# Altium PCB FPGA_Board.PcbDoc (part 1 of 3) (continued)
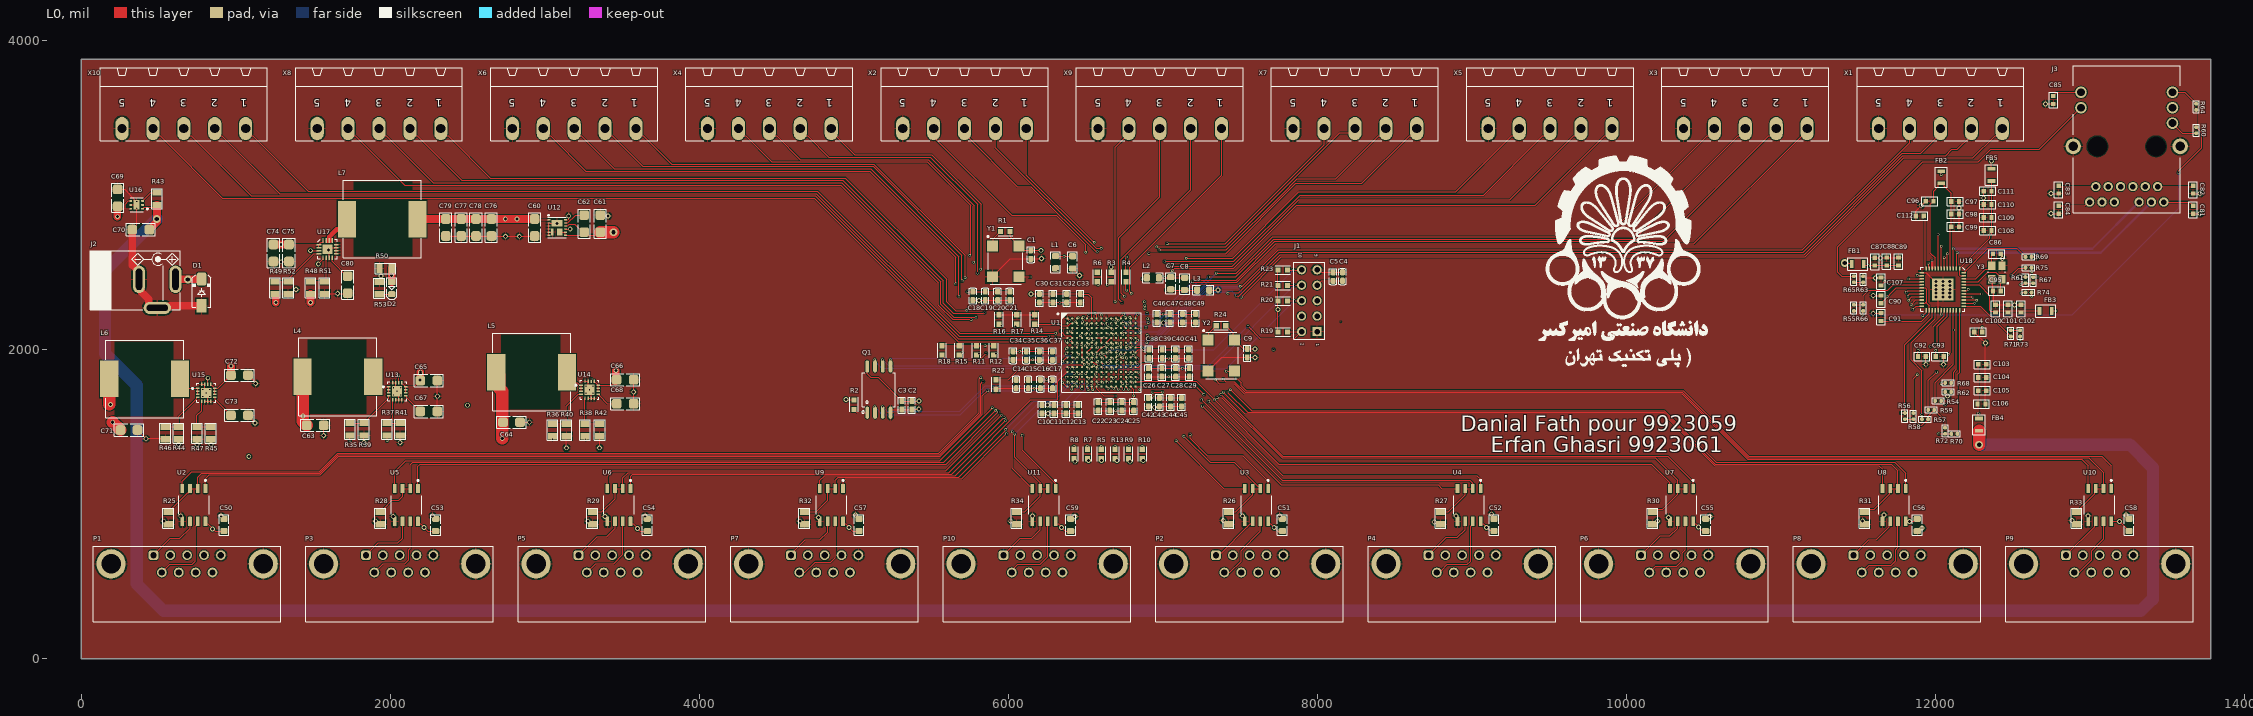
[diagram p0: L0 view]
## Footprints (in the part's own frame and the unit in brackets; to place one, negate y for a bottom-side part, rotate by r counter-clockwise, add the part's x,y. Pads: shape width x height; smd on the part's side, far side on the other; paste and mask are expansions set on the pad) (continued)
  rect 0.25x0.7 smd mask+0.03: 13(-2.75,-3.44) 14(-2.25,-3.44) 15(-1.75,-3.44) 16(-1.25,-3.44) 17(-0.75,-3.44) 18(-0.25,-3.44) 19(0.25,-3.44) 20(0.75,-3.44) 21(1.25,-3.44) 22(1.75,-3.44) 23(2.25,-3.44) 24(2.75,-3.44) 37(2.75,3.44) 38(2.25,3.44) 39(1.75,3.44) 40(1.25,3.44) 41(0.75,3.44) 42(0.25,3.44) 43(-0.25,3.44) 44(-0.75,3.44) 45(-1.25,3.44) 46(-1.75,3.44) 47(-2.25,3.44) 48(-2.75,3.44)
  rect 3.6x3.6 smd paste-10 mask+0.025: 49(0,0)
  silkscreen extent -3.6,-3.6 3.6,3.6, body extent -3.51,-3.51 3.51,3.51, height 0.78
R0402 [mm] "CHIP Resistor 1/16 WATT, 1.0X0.5mm, 0402, 1005"
  oval 0.6x0.7 smd mask+0.075: 1(-0.5,0) 2(0.5,0)
  silkscreen extent -1,-0.5 1,0.5, body extent -0.57,-0.27 0.58,0.28, height 0.41
R0805_small [mm]
  rect 0.6x1.3 smd paste-0.3 mask-0.3: 1(-1,0) 2(1,0)
  silkscreen extent -1.65,-1.02 1.65,1.02, body extent -1,-0.6 1,0.6, height 0.7
SMD-0603-RES [mm]
  rect 0.85x0.85 smd: 1(0,0.775) 2(0,-0.775)
  silkscreen extent -0.7,-1.2 0.7,1.2, body extent -0.4,-0.85 0.4,0.85, height 0.56
SMD-0805-RES [mil]
  rect 60x40 smd: 1(0,40) 2(0,-40)
  silkscreen extent -35,-65 35,65, body extent -24,-39 26,39, height 31
SO_8_W [mm]
  oval 2x0.6 smd: 1(-3.8,1.905) 2(-3.8,0.635) 3(-3.8,-0.635) 4(-3.8,-1.905) 5(3.8,-1.905) 6(3.8,-0.635) 7(3.8,0.635) 8(3.8,1.905)
  silkscreen extent -3.9,-2.7 2.8,2.8, body extent -4.05,-2.73 4.05,2.73, height 1.75

## Part data
C81 C82 C83 C84 C85 C88 C97 C101 C104 C109: library part C1005X5R1H104K, "CAP CER .10UF 50V X5R 10% 0402", Capacitance=0.1µF, Manufacturer="TDK Corporation", Operating Temperature="-55°C ~ 85°C", Package / Case="0402 (1005 Metric)", Ratings=-, Supplier Part Number=445-5942-1-ND, Temperature Coefficient=X5R, Tolerance=±10%, Voltage - Rated=50V, .Checked PCB=used, .Checked SCH=used, Applications="General Purpose", Category=Capacitors, ComponentLink1Description=http://www.tdk.co.jp/tefe02/e412_c.pdf, ComponentLink1URL=http://www.tdk.co.jp/tefe02/e412_c.pdf, Features=-, Height - Seated (Max)=-, Lead Spacing=-, Lead Style=-, Manufacturer Part Number=C1005X5R1H104K, Mounting Type="Surface Mount, MLCC", Packaging="Cut Tape (CT)", Price 1k [$]=0.02340, Pricing 1="1=0.27, 10=0.18, 100=0.072, 250=0.05176, 500=0.0369, 1000=0.027 (USD)", RoHS="RoHS Compliant", Size / Dimension="0.039\" L x 0.020\" W (1.00mm x 0.50mm)", Stock 1=106926, Supplier=Digikey, Supplier 1=Digi-Key, Supplier Part Number 1=445-5942-1-ND, Thickness (Max)="0.022\" (0.55mm)"
C86 C95: library part C1005C0G1H220J, "CAP CER 22PF 50V C0G 5% 0402", Manufacturer="TDK Corporation", Operating Temperature="-55°C ~ 125°C", Package / Case="0402 (1005 Metric)", Ratings=-, Supplier Part Number=445-1239-1-ND, Temperature Coefficient="C0G, NP0", Tolerance=±5%, Voltage - Rated=50V, .Checked PCB=used, .Checked SCH=used, Applications="General Purpose", Capacitance=22pF, Category=Capacitors, ComponentLink1Description=http://www.tdk.co.jp/tefe02/e412_c.pdf, ComponentLink1URL=http://www.tdk.co.jp/tefe02/e412_c.pdf, Features=-, Height - Seated (Max)=-, Lead Spacing=-, Lead Style=-, Manufacturer Part Number=C1005C0G1H220J, Mounting Type="Surface Mount, MLCC", Packaging="Cut Tape (CT)", Price 1k [$]=0.00442, Pricing 1="1=0.08, 10=0.05, 100=0.018, 250=0.013, 500=0.0096, 1000=0.0065 (USD)", RoHS="RoHS Compliant", Size / Dimension="0.039\" L x 0.020\" W (1.00mm x 0.50mm)", Stock 1=176261, Supplier=Digikey, Supplier 1=Digi-Key, Supplier Part Number 1=445-1239-1-ND, Thickness (Max)="0.022\" (0.55mm)"
C87 C96 C100 C103 C108: library part C1608X5R0J106M, "CAP CER 10UF 6.3V X5R 20% 0603", Capacitance=10µF, Manufacturer="TDK Corporation", Operating Temperature="-55°C ~ 85°C", Package / Case="0603 (1608 Metric)", Ratings=-, Supplier Part Number=445-4112-1-ND, Temperature Coefficient=X5R, Tolerance=±20%, Voltage - Rated=6.3V, .Checked PCB=used, .Checked SCH=used, Applications="General Purpose", Category=Capacitors, ComponentLink1Description=http://www.tdk.com/pdf/general_B11.pdf, ComponentLink1URL=http://www.tdk.com/pdf/general_B11.pdf, Features="Low ESR", Height - Seated (Max)=-, Lead Spacing=-, Lead Style=-, Manufacturer Part Number=C1608X5R0J106M, Mounting Type="Surface Mount, MLCC", Packaging="Cut Tape (CT)", Price 1k [$]=0.08580, Pricing 1="1=0.46, 10=0.363, 100=0.1898, 250=0.14024, 500=0.1089, 1000=0.0858 (USD)", RoHS="RoHS Compliant", Size / Dimension="0.063\" L x 0.031\" W (1.60mm x 0.80mm)", Stock 1=48157, Supplier=Digikey, Supplier 1=Digi-Key, Supplier Part Number 1=445-4112-1-ND, Thickness (Max)="0.037\" (0.95mm)"
C89 C90 C91 C92 C93 C94 C98 C99 C102 C105 C106 C107 C110 C111 C112: library part C1005X7R1H103K, "CAP CER 10000PF 50V 10% X7R 0402", Capacitance=10000pF, Manufacturer="TDK Corporation", Operating Temperature="-55°C ~ 125°C", Package / Case="0402 (1005 Metric)", Ratings=-, Supplier Part Number=445-6850-1-ND, Temperature Coefficient=X7R, Tolerance=±10%, Voltage - Rated=50V, .Checked PCB=used, .Checked SCH=used, Applications="General Purpose", Category=Capacitors, ComponentLink1Description=http://www.tdk.co.jp/tefe02/e412_c.pdf, ComponentLink1URL=http://www.tdk.co.jp/tefe02/e412_c.pdf, Features=-, Height - Seated (Max)=-, Lead Spacing=-, Lead Style=-, Manufacturer Part Number=C1005X7R1H103K, Mounting Type="Surface Mount, MLCC", Packaging="Cut Tape (CT)", Price 1k [$]=0.01625, Pricing 1="1=0.2, 10=0.125, 100=0.045, 250=0.03252, 500=0.024, 1000=0.01625 (USD)", RoHS="RoHS Compliant", Size / Dimension="0.039\" L x 0.020\" W (1.00mm x 0.50mm)", Stock 1=3901, Supplier=Digikey, Supplier 1=Digi-Key, Supplier Part Number 1=445-6850-1-ND, Thickness (Max)="0.022\" (0.55mm)"
D1: "DIODE, GENERAL PURPOSE, 1000V/1A", ComponentLink1Description="Website Smart World", ComponentLink1URL=https://www.smartw.ir/, ComponentLink2Description=Telegram, ComponentLink2URL=https://t.me/altium_smartw, ComponentLink3Description=Instagram, ComponentLink3URL=https://Instagram.com/smartgw.ir, DatasheetVersion=2021
FB1 FB2 FB4 FB5: "FERRITE CHIP 100 OHM BEAD 0603 3A", Current Rating=3A, DC Resistance (DCR)="30 mOhm Max", Impedance @ Frequency="100 Ohm @ 100MHz", Manufacturer="Murata Electronics North America", Package / Case="0603 (1608 Metric)", Supplier Part Number=490-5448-1-ND, .Checked PCB=used, .Checked SCH=used, Category=Filters, ComponentLink1Description=http://search.murata.co.jp/Ceramy/image/img/PDF/ENG/L0110S0100BLM18K.pdf, ComponentLink1URL=http://search.murata.co.jp/Ceramy/image/img/PDF/ENG/L0110S0100BLM18K.pdf, Filter Type="Differential Mode - Single", Height (Max)="0.030\" (0.75mm)", Manufacturer Part Number=BLM18KG101TN1D, Mounting Type="Surface Mount", Number of Lines=1, Packaging="Cut Tape (CT)", Price 1k [$]=0.04320, Pricing 1="1=0.35, 10=0.23, 50=0.1196, 100=0.0922, 250=0.06624, 500=0.04724, 1000=0.03456 (USD)", RoHS="RoHS Compliant", Size / Dimension="0.063\" L x 0.031\" W (1.60mm x 0.80mm)", Stock 1=10314, Supplier=Digikey, Supplier 1=Digi-Key, Supplier Part Number 1=490-5448-1-ND
FB3: "FERRITE CHIP 600 OHM 0402 420mA", Current Rating=420mA, DC Resistance (DCR)="340 mOhm Max", Impedance @ Frequency="600 Ohm @ 100MHz", Manufacturer="Murata Electronics North America", Package / Case="0402 (1005 Metric)", Supplier Part Number=490-5441-1-ND, .Checked PCB=used, .Checked SCH=used, Category=Filters, ComponentLink1Description=http://search.murata.co.jp/Ceramy/image/img/PDF/ENG/L0110S0100BLM15AX_SN.pdf, ComponentLink1URL=http://search.murata.co.jp/Ceramy/image/img/PDF/ENG/L0110S0100BLM15AX_SN.pdf, Filter Type="Differential Mode - Single", Height (Max)="0.022\" (0.55mm)", Manufacturer Part Number=BLM15AX601SN1D, Mounting Type="Surface Mount", Number of Lines=1, Packaging="Cut Tape (CT)", Price 1k [$]=0.03280, Pricing 1="1=0.26, 10=0.197, 50=0.1148, 100=0.0918, 250=0.0656, 500=0.0446, 1000=0.03608, 5000=0.02821 (USD)", RoHS="RoHS Compliant", Size / Dimension="0.039\" L x 0.020\" W (1.00mm x 0.50mm)", Stock 1=34008, Supplier=Digikey, Supplier 1=Digi-Key, Supplier Part Number 1=490-5441-1-ND
J1: "Header, 5-Pin, Dual row", LatestRevisionDate=17-Jul-2002, LatestRevisionNote="Re-released for DXP Platform.", Publisher="Altium Limited"
J3: "CONN MAGJACK 1PORT SHLD 1000BT", LED Color="Green, Orange - Yellow", Manufacturer="Bel Fuse Inc", Supplier Part Number 1=380-1110-ND, .Checked PCB=RF, .Checked SCH=RF, Category="Connectors, Interconnects", ComponentLink1Description=http://www.belfuse.com/Data/Datasheets/L829-1J1T-43.pdf, ComponentLink1URL=http://www.belfuse.com/Data/Datasheets/L829-1J1T-43.pdf, Connector Type=RJ45, Features="AutoMDIX, Board Guide", Height Above Board="0.445\" (11.30mm)", Manufacturer Part Number=L829-1J1T-43, Mounting Type="Panel Mount; Through Hole, Right Angle", Number of Cores per Jack=8, Number of Ports=1, Number of Rows=1, Packaging=Tray, Pricing 1="1=4.67, 10=3.863, 100=2.8974, 250=2.672, 500=2.41446, 1000=2.14082, 2500=2.05229, 5000=2.01205 (GBP)", RoHS="RoHS Compliant", Shielding=Shielded, Speed="10/100/1000 Base-T", Stock 1=7172, Supplier 1=Digi-Key, Tab Direction=Up
P1 P2 P3 P4 P5 P6 P7 P8 P9 P10: library part CMP-1502-00284-2, Contact Resistance=30mΩ, Current Rating=3A, Insulation Resistance=5GΩ, Max Operating Temperature=105°C, Min Operating Temperature=-55°C, Operating Supply Voltage=125V, Contact Material=Gold, Contact Plating=Gold, Depth=18.5mm, Gender=Male, Height=12.7mm, Housing Material=Steel, Insulation Material=PBT, Length=30.8mm, Mount="Through Hole", NexarPartId=22865742, Number of Contacts=9, Number of Pins=9, Number of Rows=2, Orientation="Right Angle", Pitch=2.77mm, REACH SVHC=Unknown, RoHS=Compliant, Termination=SMD/SMT, Voltage Rating=125V, Width=12.5mm
R54 R55 R56 R57 R58 R59 R75: library part RC0402FR-0710KL, "RES 10.0K OHM 1/16W 1% 0402 SMD", Manufacturer=Yageo, Package / Case="0402 (1005 Metric)", Power (Watts)="0.063W, 1/16W", Resistance (Ohms)=10K, Supplier Part Number=311-10.0KLRCT-ND, Temperature Coefficient=±100ppm/°C, Tolerance=±1%, .Checked PCB=used, .Checked SCH=used, Category=Resistors, ComponentLink1Description=http://www.yageo.com/documents/recent/PYu-RC0402_51_RoHS_L_6.pdf, ComponentLink1URL=http://www.yageo.com/documents/recent/PYu-RC0402_51_RoHS_L_6.pdf, Composition="Thick Film", Features=-, Height="0.016\" (0.40mm)", Manufacturer Part Number=RC0402FR-0710KL, Number of Terminations=2, Packaging="Cut Tape (CT)", Price 1k [$]=0.01421, Pricing 1="10=0.014, 50=0.0104, 100=0.0079, 250=0.00584, 500=0.00432, 1000=0.00288 (USD)", RoHS="RoHS Compliant", Size / Dimension="0.039\" L x 0.020\" W (1.00mm x 0.50mm)", Stock 1=2916495, Supplier=Digikey, Supplier 1=Digi-Key, Supplier Part Number 1=311-10.0KLRCT-ND
R60 R64: library part RC0402JR-070RL, "RES 0.0 OHM 1/16W 0402 SMD", Manufacturer=Yageo, Package / Case="0402 (1005 Metric)", Power (Watts)="0.063W, 1/16W", Resistance (Ohms)=0.0, Supplier Part Number=311-0.0JRCT-ND, Temperature Coefficient=-, Tolerance=Jumper, .Checked PCB=used, .Checked SCH=used, Category=Resistors, ComponentLink1Description=http://www.yageo.com/documents/recent/PYu-RC0402_51_RoHS_L_6.pdf, ComponentLink1URL=http://www.yageo.com/documents/recent/PYu-RC0402_51_RoHS_L_6.pdf, Composition="Thick Film", Features=-, Height="0.016\" (0.40mm)", Manufacturer Part Number=RC0402JR-070RL, Number of Terminations=2, Packaging="Cut Tape (CT)", Price 1k [$]=0.01389, Pricing 1="10=0.012, 50=0.009, 100=0.0069, 250=0.00512, 500=0.0038, 1000=0.00253 (USD)", RoHS="RoHS Compliant", Size / Dimension="0.039\" L x 0.020\" W (1.00mm x 0.50mm)", Stock 1=1106330, Supplier=Digikey, Supplier 1=Digi-Key, Supplier Part Number 1=311-0.0JRCT-ND
R61 R62 R63 R73: library part RC0402FR-071KL, "RES 1.00K OHM 1/16W 1% 0402 SMD", Manufacturer=Yageo, Package / Case="0402 (1005 Metric)", Power (Watts)="0.063W, 1/16W", Resistance (Ohms)=1K, Supplier Part Number=311-1.00KLRCT-ND, Temperature Coefficient=±100ppm/°C, Tolerance=±1%, .Checked PCB=used, .Checked SCH=used, Category=Resistors, ComponentLink1Description=http://www.yageo.com/documents/recent/PYu-RC0402_51_RoHS_L_6.pdf, ComponentLink1URL=http://www.yageo.com/documents/recent/PYu-RC0402_51_RoHS_L_6.pdf, Composition="Thick Film", Features=-, Height="0.016\" (0.40mm)", Manufacturer Part Number=RC0402FR-071KL, Number of Terminations=2, Packaging="Cut Tape (CT)", Price 1k [$]=0.01421, Pricing 1="10=0.014, 50=0.0104, 100=0.0079, 250=0.00584, 500=0.00432, 1000=0.00288 (USD)", RoHS="RoHS Compliant", Size / Dimension="0.039\" L x 0.020\" W (1.00mm x 0.50mm)", Stock 1=1753477, Supplier=Digikey, Supplier 1=Digi-Key, Supplier Part Number 1=311-1.00KLRCT-ND
R65 R66: library part RC0402FR-07220RL, "RES 220 OHM 1/16W 1% 0402 SMD", Manufacturer=Yageo, Package / Case="0402 (1005 Metric)", Power (Watts)="0.063W, 1/16W", Resistance (Ohms)=220, Supplier Part Number=311-220LRCT-ND, Temperature Coefficient=±100ppm/°C, Tolerance=±1%, .Checked PCB=used, .Checked SCH=used, Category=Resistors, ComponentLink1Description=http://www.yageo.com/documents/recent/PYu-RC0402_51_RoHS_L_6.pdf, ComponentLink1URL=http://www.yageo.com/documents/recent/PYu-RC0402_51_RoHS_L_6.pdf, Composition="Thick Film", Features=-, Height="0.016\" (0.40mm)", Manufacturer Part Number=RC0402FR-07220RL, Number of Terminations=2, Packaging="Cut Tape (CT)", Price 1k [$]=0.01421, Pricing 1="10=0.014, 50=0.0104, 100=0.0079, 250=0.00584, 500=0.00432, 1000=0.00288 (USD)", RoHS="RoHS Compliant", Size / Dimension="0.039\" L x 0.020\" W (1.00mm x 0.50mm)", Stock 1=276463, Supplier=Digikey, Supplier 1=Digi-Key, Supplier Part Number 1=311-220LRCT-ND
R67 R68 R70 R71: library part RC0402FR-0722RL, "RES 22.0 OHM 1/16W 1% 0402 SMD", Manufacturer=Yageo, Package / Case="0402 (1005 Metric)", Power (Watts)="0.063W, 1/16W", Resistance (Ohms)=22, Supplier Part Number=311-22.0LRCT-ND, Temperature Coefficient=±100ppm/°C, Tolerance=±1%, .Checked PCB=used, .Checked SCH=used, Category=Resistors, ComponentLink1Description=http://www.yageo.com/documents/recent/PYu-RC0402_51_RoHS_L_6.pdf, ComponentLink1URL=http://www.yageo.com/documents/recent/PYu-RC0402_51_RoHS_L_6.pdf, Composition="Thick Film", Features=-, Height="0.016\" (0.40mm)", Manufacturer Part Number=RC0402FR-0722RL, Number of Terminations=2, Packaging="Cut Tape (CT)", Price 1k [$]=0.01421, Pricing 1="10=0.014, 50=0.0104, 100=0.0079, 250=0.00584, 500=0.00432, 1000=0.00288 (USD)", RoHS="RoHS Compliant", Size / Dimension="0.039\" L x 0.020\" W (1.00mm x 0.50mm)", Stock 1=943800, Supplier=Digikey, Supplier 1=Digi-Key, Supplier Part Number 1=311-22.0LRCT-ND
R69: library part RC0402FR-0712K1L, "RES SMD 12.1K OHM 1% 1/16W 0402", Manufacturer=Yageo, Operating Temperature="-55°C ~ 155°C", Package / Case="0402 (1005 Metric)", Power (Watts)="0.063W, 1/16W", Resistance (Ohms)=12.1k, Supplier Device Package=0402, Supplier Part Number 1=311-12.1KLRCT-ND, Temperature Coefficient=±100ppm/°C, Tolerance=±1%, .Checked PCB=MM, .Checked SCH=MM, .Creator=MM, Category=Resistors, ComponentLink1Description=http://www.yageo.com/NewPortal/yageodocoutput?fileName=/pdf/R-Chip/PYu-RC_Group_51_RoHS_L_0.pdf, ComponentLink1URL=http://www.yageo.com/NewPortal/yageodocoutput?fileName=/pdf/R-Chip/PYu-RC_Group_51_RoHS_L_0.pdf, Composition="Thick Film", Features="Moisture Resistant", Height="0.016\" (0.40mm)", Manufacturer Part Number=RC0402FR-0712K1L, Number of Terminations=2, Packaging="Cut Tape (CT)", Pricing 1="1=0.1, 10=0.015, 25=0.0108, 100=0.006, 250=0.00456, 500=0.00364, 1000=0.00268, 2500=0.00233, 5000=0.00192 (USD)", RoHS="RoHS Compliant", Size / Dimension="0.039\" L x 0.020\" W (1.00mm x 0.50mm)", Stock 1=327554, Supplier 1=Digi-Key
R72 R74: library part RMCF0402FT4K99, "RES TF 4.99K OHM 1% 1/16W 0402", Manufacturer="Stackpole Electronics Inc", Package / Case="0402 (1005 Metric)", Power (Watts)="0.063W, 1/16W", Resistance (Ohms)=4.99K, Supplier Part Number=RMCF0402FT4K99CT-ND, Temperature Coefficient=±100ppm/°C, Tolerance=±1%, .Checked PCB=used, .Checked SCH=used, Category=Resistors, ComponentLink1Description=http://www.seielect.com/Catalog/SEI-RMCF.pdf, ComponentLink1URL=http://www.seielect.com/Catalog/SEI-RMCF.pdf, Composition="Thick Film", Features=-, Height="0.016\" (0.40mm)", Manufacturer Part Number=RMCF0402FT4K99, Number of Terminations=2, Packaging="Cut Tape (CT)", Price 1k [$]=0.00384, Pricing 1="1=0.04, 10=0.025, 50=0.0138, 100=0.0105, 250=0.0078, 500=0.00576, 1000=0.00384 (USD)", RoHS="RoHS Compliant", Size / Dimension="0.039\" L x 0.020\" W (1.00mm x 0.50mm)", Stock 1=48509, Supplier=Digikey, Supplier 1=Digi-Key, Supplier Part Number 1=RMCF0402FT4K99CT-ND
U1: library part CMP-0382-00001-1, "667 MHz Zynq™-7000 AP SoC, 88 PS I/O, 54 FPGA I/O, 225-Ball BGA, Speed Grade 1, Industrial Grade, Pb-Free", Generic Part Number=XC7Z010, Code_JEDEC=MO-275-HHAC-1, ComponentLink1Description=Datasheet, ComponentLink1URL=http://www.xilinx.com/support/documentation/data_sheets/ds190-Zynq-7000-Overview.pdf, ComponentLink2Description="Package Specification", ComponentLink2URL=http://www.xilinx.com/support/documentation/user_guides/ug865-Zynq-7000-Pkg-Pinout.pdf, ComponentLink3Description="DC and AC Switching Characteristics", ComponentLink3URL=http://www.xilinx.com/support/documentation/data_sheets/ds187-XC7Z010-XC7Z020-Data-Sheet.pdf, ComponentLink4Description="Package File", ComponentLink4URL=http://www.xilinx.com/support/packagefiles/z7packages/xc7z010clg225pkg.txt, ComponentLink5Description="Packaging and Pinout", ComponentLink5URL=http://www.xilinx.com/support/documentation/user_guides/ug865-Zynq-7000-Pkg-Pinout.pdf, ComponentLink6Description="PCB and Layout Guide", ComponentLink6URL=http://www.xilinx.com/support/documentation/user_guides/ug483_7Series_PCB.pdf, DatasheetVersion=v1.2, Extensible Block RAM (# 36Kb Blocks)="240 KB (60)", Flip Flops=35200, LUTs=17600, Mounting Technology="Surface Mount", PackageDescription="Wire-Bond Chip-Scale BGA, Body 13 x 13 mm, 0.8 mm Pitch", PackageReference=CLG225, PackageVersion="Rev 1.2, 02/2013", PartNumber=XC7Z010-1CLG225I, RoHS=Pb-Free, Speed Grade=-1
U2 U3 U4 U5 U6 U7 U8 U9 U10 U11: library part CMP-04875-000017-1, "IC TRANSCEIVER HALF 1/1 8SOIC", Ambient Temperature Range High=+125°C, Ambient Temperature Range Low=-40°C, Manufacturer="Texas Instruments", Manufacturer Part Number=THVD1450DR, Max Junction Temp=+150°C, Max Supply Voltage=5.5V, Min Supply Voltage=3V, Nominal Supply Current=0.7-2.4mA, Package=D0008A, Temperature="-40°C to +125°C", Automotive=No, Category=IC, ComponentLink2Description=Datasheet, ComponentLink2URL=http://www.ti.com/lit/ds/symlink/thvd1450.pdf, Data Rate=50Mbits/s, Device Class L1="Integrated Circuits (ICs)", Device Class L2="Interface ICs", Device Class L3="RS-232 / RS-422 / RS-485 Interface ICs", Digikey Description="IC TRANSCEIVER HALF 1/1 8SOIC", Height=1.75mm, Interface=RS-485,RS-422, Ipc Land Pattern Name=SOIC127P600X175-8, Lead Free=Yes, Mouser Description="3.3-V to 5-V RS-485 transceiver with ±18-kV IEC ESD protection 8-SOIC -40 to 125", Number Of Receivers=1, Number Of Transmitters=1, Octopart=https://octopart.com/thvd1450dr-texas+instruments-87909738, RoHS=TRUE, Simplex Duplex="Half Duplex", Standoff Height=0.11mm, Temperature Range High=+125°C, Temperature Range Low=-40°C
U12: "IC PWM REG 600mA 1.2V 12-MLF", Current - Output=600mA, Frequency - Switching=4MHz, Manufacturer="Micrel Inc", Operating Temperature="-40°C ~ 125°C", Package / Case="12-MLF®, QFN", Supplier Device Package="12-MLF™ (3x3)", Supplier Part Number=576-3044-1-ND, Voltage - Input="2.7 V ~ 5.5 V", Voltage - Output=1.2V, .Checked PCB=used, .Checked SCH=used, Category="Integrated Circuits (ICs)", ComponentLink1Description=http://www.micrel.com/_PDF/mic33050.pdf, ComponentLink1URL=http://www.micrel.com/_PDF/mic33050.pdf, Family="PMIC - Voltage Regulators - Switching DC DC Converters & Controllers", Manufacturer Part Number="MIC33050-4YHL TR", Mounting Type="Surface Mount", Number Of Outputs=1, Output Type=Fixed, Packaging="Cut Tape (CT)", Price 1k [$]=1.62500, Pricing 1="1=2.34, 25=1.872, 100=1.456, 250=1.3832, 500=1.352 (USD)", PWM Type="Current Mode", RoHS="RoHS Compliant", Stock 1=1750, Supplier=Digikey, Supplier 1=Digi-Key, Supplier Part Number 1=576-3044-1-ND, Synchronous Rectifier=Yes, Type="Step-Down (Buck)"
U13 U14 U15: library part CMP-04918-000039-1, "IC REG BUCK ADJUSTABLE 3A 16QFN", Ambient Temperature Range High=+85°C, Ambient Temperature Range Low=-40°C, Manufacturer="Texas Instruments", Max Junction Temp=+125°C, Max Supply Voltage=17V, Min Supply Voltage=3V, Nominal Supply Current=19uA, Output Current=3A, Output Voltage=0.9-5.5V, Package=RGT0016C, Switching Frequency=1.25/2.5MHz, Temperature="-40°C to +85°C", Automotive=No, Category=IC, ComponentLink2Description=Datasheet, ComponentLink2URL=http://www.ti.com/lit/ds/symlink/tlv62130.pdf, Device Class L1="Integrated Circuits (ICs)", Device Class L2="Power Management ICs", Device Class L3="Voltage Regulators - Switching", Digikey Description="IC REG BUCK ADJUSTABLE 3A 16QFN", Height=1mm, Ipc Land Pattern Name=QFN50P300X300X100-16, Lead Free=Yes, Manufacturer Part Number=TLV62130RGTR, Max Duty Cycle=100%, Mouser Description="Switching Voltage Regulators 4-17V 3A Step-Down Converter", Number Of Outputs=1, Octopart=https://octopart.com/tlv62130rgtr-texas+instruments-21766117, Output Type=AdjustableProgrammable, RoHS=TRUE, Standoff Height=0mm, Switching Topology=Buck, Temperature Range High=+85°C, Temperature Range Low=-40°C
U16: library part CMP-04917-000169-1, "IC POWER MANAGEMENT"
U17: "IC REG BUCK SYNC ADJ 4A 16TQFN", Current - Output=4A, Frequency - Switching="490kHz ~ 4.2MHz", Manufacturer=Intersil, Operating Temperature="-40°C ~ 85°C", Package / Case="16-WFQFN Exposed Pad", Supplier Device Package="16-TQFN (3x3)", Supplier Part Number 1=ISL8024AIRTAJZ-T7ACT-ND, Voltage - Input="2.7 V ~ 5.5 V", Voltage - Output="0.6 V ~ 5.5 V", .Checked PCB=MM, .Checked SCH=MM, .Creator=MM, Category="Integrated Circuits (ICs)", ComponentLink1Description=http://www.intersil.com/content/dam/Intersil/documents/fn78/fn7812.pdf, ComponentLink1URL=http://www.intersil.com/content/dam/Intersil/documents/fn78/fn7812.pdf, Manufacturer Part Number=ISL8024AIRTAJZ-T7A, Mounting Type="Surface Mount", Number Of Outputs=1, Output Type=Adjustable, Packaging="Cut Tape (CT)", Pricing 1="1=4.61, 25=3.63, 100=3.08 (USD)", RoHS="RoHS Compliant", Stock 1=440, Supplier 1=Digi-Key, Synchronous Rectifier=Yes, Type="Step-Down (Buck)"
U18: "IC TXRX ETHERNET 48-QFN", Manufacturer="Micrel Inc", Operating Temperature="-40°C ~ 85°C", Package / Case="48-VFQFN Exposed Pad", Supplier Device Package="48-QFN (7x7)", Supplier Part Number 1=576-4346-ND, Voltage - Supply="1.8V, 2.5V, 3.3V", .Checked PCB=MM, .Checked SCH=MM, .Creator=MM, Category="Integrated Circuits (ICs)", ComponentLink1Description=http://www.micrel.com/_PDF/Ethernet/datasheets/KSZ9031RNX.pdf, ComponentLink1URL=http://www.micrel.com/_PDF/Ethernet/datasheets/KSZ9031RNX.pdf, Data Rate=-, Duplex=Full, Manufacturer Part Number=KSZ9031RNXIA, Mounting Type="Surface Mount", Number of Drivers/Receivers=4/4, Packaging=Tray, Pricing 1="1=6.69, 10=5.975, 50=5.3776, 100=4.8995, 250=4.42152, 500=3.9674, 1000=3.346, 2500=3.1787, 5000=3.04725 (USD)", Protocol=Ethernet, Receiver Hysteresis=-, RoHS="RoHS Compliant", Stock 1=1755, Supplier 1=Digi-Key, Type=Transceiver
Y1 Y2: library part Crystal_4pin_1
Y3: library part ABM8G-25.000MHZ-18-D2Y-T, "CRYSTAL 25MHZ 18PF SMD", ESR (Equivalent Series Resistance)="60 Ohm", Frequency=25MHz, Frequency Stability=±30ppm, Frequency Tolerance=±20ppm, Load Capacitance=18pF, Manufacturer="Abracon Corporation", Operating Mode=Fundamental, Operating Temperature="-40°C ~ 85°C", Package / Case="4-SMD, No Lead (DFN, LCC)", Ratings=-, Supplier Part Number 1=535-10275-1-ND, .Checked PCB=MM, .Checked SCH=MM, .Creator=MM, Category="Crystals and Oscillators", ComponentLink1Description=http://www.abracon.com/Resonators/ABM8G.pdf, ComponentLink1URL=http://www.abracon.com/Resonators/ABM8G.pdf, Height="0.039\" (1.00mm)", Manufacturer Part Number=ABM8G-25.000MHZ-18-D2Y-T, Mounting Type="Surface Mount", Packaging="Cut Tape (CT)", Pricing 1="1=1.06, 10=0.944, 50=0.8814, 100=0.78, 500=0.7371 (USD)", RoHS="RoHS Compliant", Size / Dimension="0.126\" L x 0.098\" W (3.20mm x 2.50mm)", Stock 1=25549, Supplier 1=Digi-Key, Type="MHz Crystal"
C1 C2 C3 C4 C5 C6 C7 C8 C9 C10 C11 C12 C13 C14 C15 C16 C17 C18 C19 C20 C21 C22 C23 C24 C25 C26 C27 C28 C29 C30 C31 C32 C33 C34 C35 C36 C37 C38 C39 C40 C41 C42 C43 C44 C45 C46 C47 C48 C49 C50 C51 C52 C53 C54 C55 C56 C57 C58 C59 C60 C61 C62 C63 C64 C65 C66 C67 C68 C69 C70 C71 C72 C73 C74 C75 C76 C77 C78 C79 C80 D2 L1 L2 L3 L4 L5 L6 L7 R1 R2 R3 R4 R5 R6 R7 R8 R9 R10 R11 R12 R13 R14 R15 R16 R17 R18 R19 R20 R21 R22 R23 R24 R25 R26 R27 R28 R29 R30 R31 R32 R33 R34 R35 R36 R37 R38 R39 R40 R41 R42 R43 R44 R45 R46 R47 R48 R49 R50 R51 R52 R53 X1 X2 X3 X4 X5 X6 X7 X8 X9 X10: ComponentLink1Description="Website Smart World", ComponentLink1URL=https://www.smartw.ir/, ComponentLink2Description=Telegram, ComponentLink2URL=https://t.me/altium_smartw, ComponentLink3Description=Instagram, ComponentLink3URL=https://Instagram.com/smartgw.ir, DatasheetVersion=2021
J2: ComponentLink1Description="Website Smart World", ComponentLink1URL=https://www.smartw.ir/, ComponentLink2Description=Telegram, ComponentLink2URL=https://t.me/altium_smartw, ComponentLink3Description=Instagram, ComponentLink3URL=https://Instagram.com/smartgw.irm/smartgw.ir, DatasheetVersion=2021

## Via types
v1: diameter 15.75, hole 11.81, L0 to L5, 116 vias
v2: diameter 31.5, hole 19.68, L0 to GND, 96 vias
v3: diameter 15.75, hole 11.81, L0 to L3, 79 vias
v4: diameter 15.75, hole 11.81, L0 to L2, 64 vias
v5: diameter 15.75, hole 11.81, L0 to L1, 40 vias
v6: diameter 15.75, hole 11.81, L0 to GND, 36 vias
v7: diameter 31.5, hole 19.68, L0 to 3,3V, 29 vias
v8: diameter 15.75, hole 11.81, L0 to L4, 23 vias
v9: diameter 31.5, hole 19.68, L0 to L2, 19 vias
v10: diameter 19.68, hole 7.87, L0 to L5, 17 vias
v11: diameter 15.75, hole 11.81, L0 to 3,3V, 11 vias
v12: diameter 50, hole 28, L0 to L5, 3 vias
v13: diameter 50, hole 28, L0 to L2, 2 vias
v14: diameter 31.5, hole 19.68, L0 to L3, 1 vias

## Nets (pads, with @x,y where several pads share a name; then routed paths per layer and width w, separated by ;. In a path a pad name is that pad's centre, name@x,y a point inside that pad or via, vN(x,y) a via of type N, cw(c..) or ccw(c..) an arc to the next point about the centre after c; other vN are vias at no path point)
1.2V: C61.2 C62.2 FB1.1 FB2.1 FB3.1 U12.7 U12.8 U12.10 U12.15 | length 10876.9
  L0 w5: U12.15@3097.72,2761.26 3098.5,2760.47 U12.8@3133.54,2760.47 U12.7@3133.54,2740.79 3340.91,2740.79 C61.2@3360,2759.88 ; U12.10@3133.54,2799.84 3148.11,2799.84 3158.27,2810 3195,2810 3225.26,2779.74 3235.14,2779.74 C62.2@3255,2759.88 ; v12(11410,2560) 11450.63,2560 FB1.1@11455.63,2555 ; v4(12034.97,3131.95) FB2.1@12034.97,3154.34 ; FB3.1@12749.37,2250 v4(12775,2250)
  L0 w80: C61.2@3360,2759.88 3444.88,2759.88 v13(3445,2760)
  L2 w20: v12(11410,2560) 11980,3130 12315,3130 12775,2670 v4(12775,2250)
  L2 w80: v13(3445,2760) 11095,2760 11295,2560 v12(11410,2560)